# Altium PCB FC_RGB_Sion2.PcbDoc
Units mm, origin at the board's own origin, x right, y up, seen from the top; angles counter-clockwise.
Board outline 71.28 x 49.12 mm, 4 copper layers (Top Layer, GND, PWR, Bottom Layer), stack 0.778 mm thick; 78 components, 155 nets, 493 pads, 132 vias.
Unrouted connection lines stored in the file: 21.
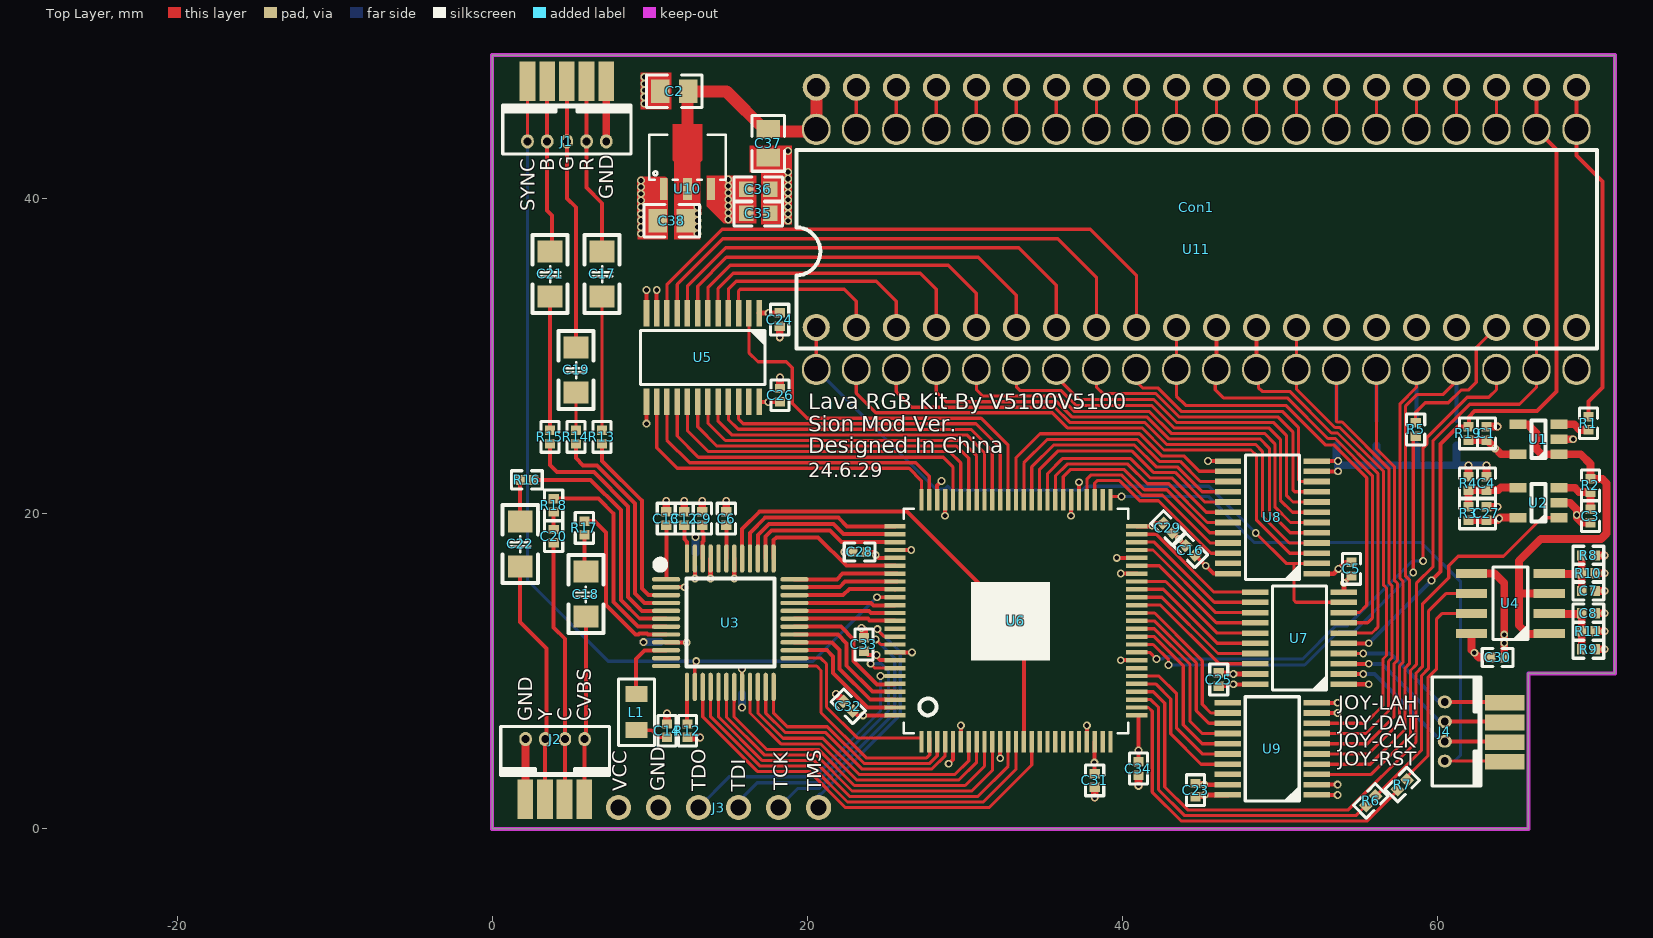
[diagram p0: Top Layer view]
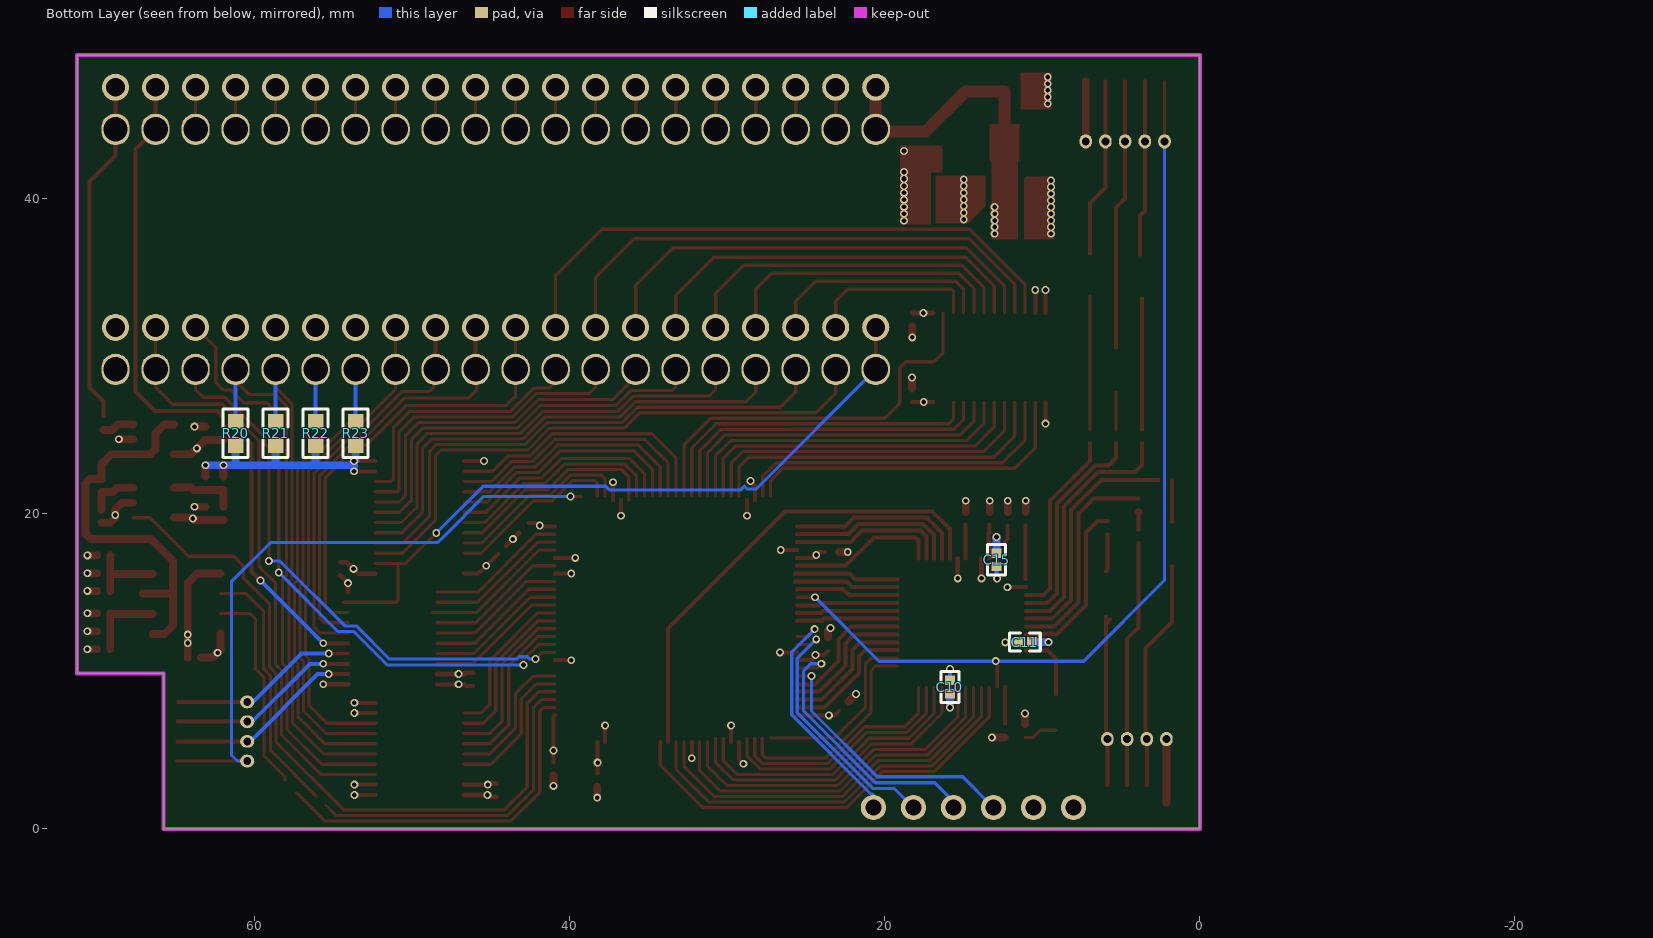
[diagram p1: Bottom Layer view, seen from below]
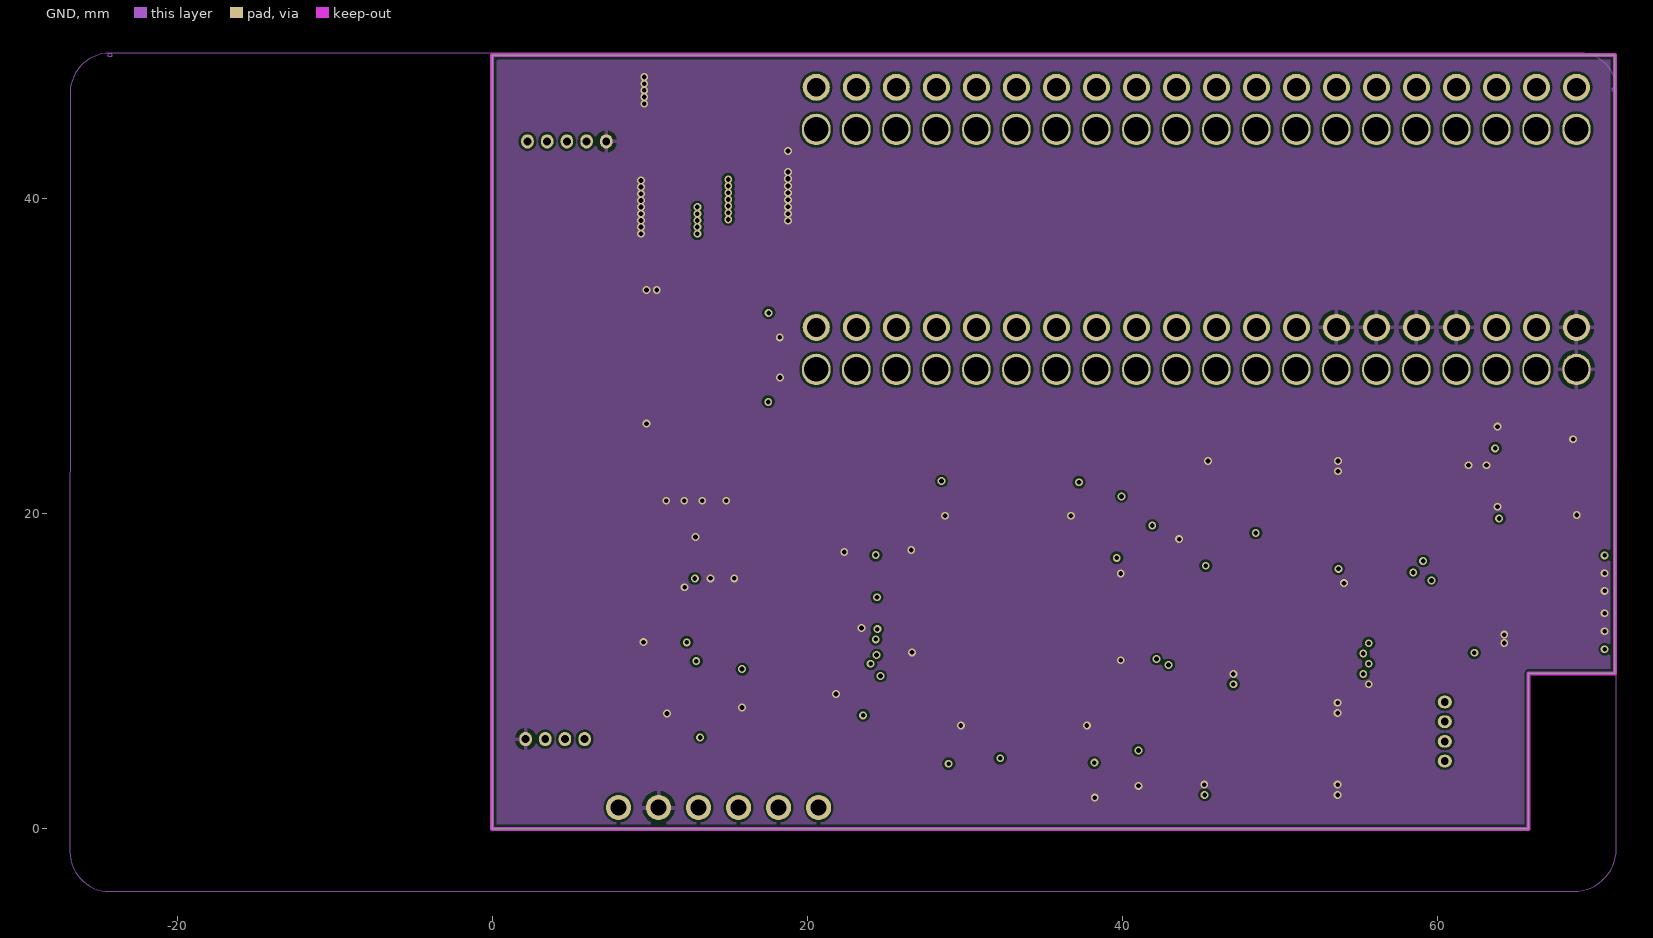
[diagram p2: GND]
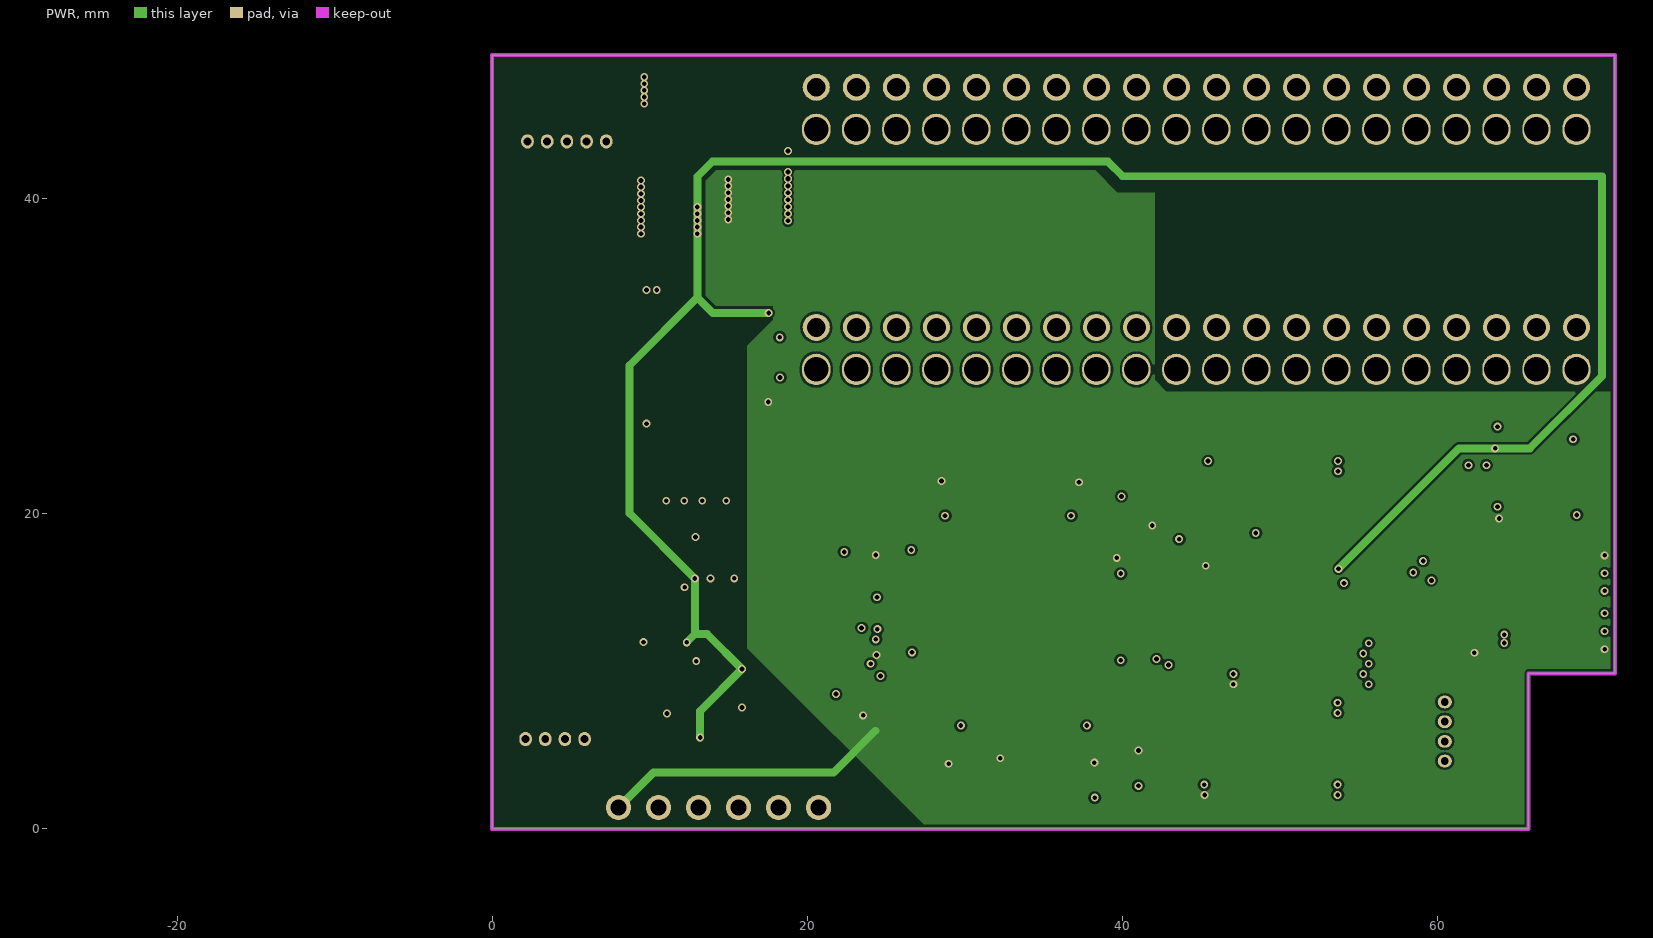
[diagram p3: PWR]
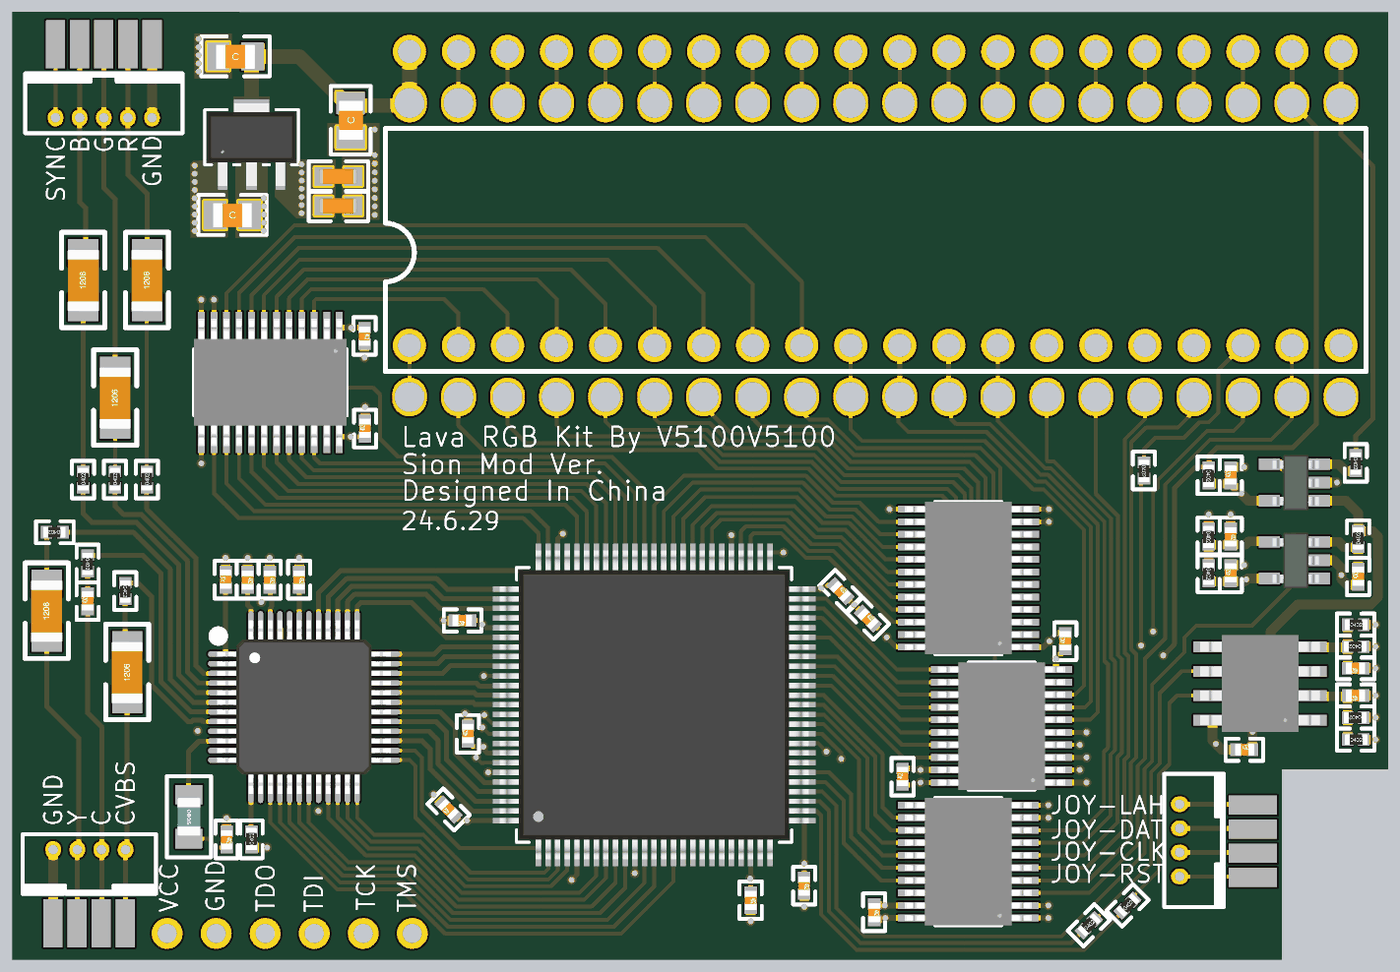
[diagram p4: 3D render of the assembled board from above, using the file's embedded part models]
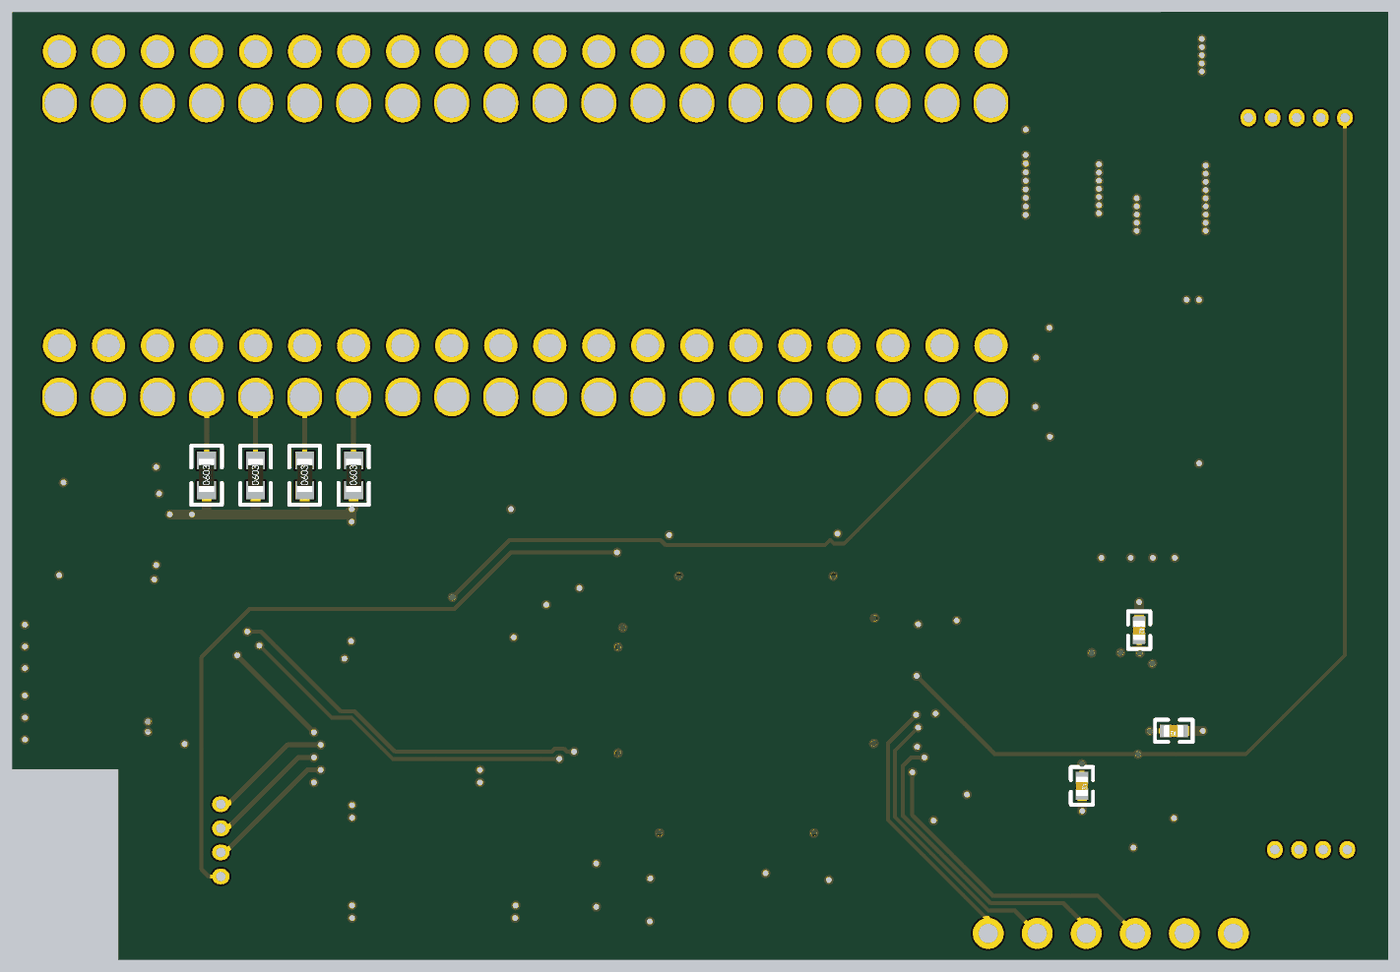
[diagram p5: 3D render of the assembled board from below, using the file's embedded part models]

## Layer stack, top to bottom
Top Solder: solder mask 0.0102, Solder Resist, Dk 3.5
Top Layer: signal copper 0.0356
Dielectric 1: core 0.254, FR-4, Dk 4.2
GND: signal copper 0.036
Dielectric 3: prepreg 0.127, Dk 4.2
PWR: signal copper 0.036
Dielectric 2: core 0.254, Dk 4.2
Bottom Layer: signal copper 0.0356
Bottom Solder: solder mask 0.0102, Solder Resist, Dk 3.5

## Board outline
0,0 65.776,0 65.776,9.864 71.276,9.864 71.276,49.116 0,49.119

## Design rules (kind name [scope] priority, off if disabled: settings)
Clearance [All] p1: gap=0.15 ignorepadtopadclearanceinfootprint=FALSE
PolygonConnect via [isvia] p1: connectstyle=Direct reliefconductorwidth=0.254 reliefentries=4 polygonreliefangle="90 Angle" airgapwidth=0.254
PolygonConnect [All] p2: connectstyle=Relief reliefconductorwidth=0.254 reliefentries=4 polygonreliefangle="90 Angle" airgapwidth=0.254
RoutingVias [All] p1: holewidth=0.711 width=1 viastyle="Through Hole" minholewidth=0.3 minwidth=0.5 maxholewidth=11 maxwidth=22
SilkToSolderMaskClearance [IsPad] p1: minsilkscreentomaskgap=0.152 clearancetoexposedcopper=TRUE
SolderMaskExpansion [All] p1: expansion=0.102
UnRoutedNet [All] p1: checkbadconnections=TRUE
Width Width_3V3 [InNet('+3.3')] p1: maxlimit=50 minlimit=0.254 preferedwidth=0.457 midlayer1_prefwidth=0.254 midlayer2_prefwidth=0.254 minimp=50.000000 maximp=50.000000 favimp=50.000000
Width Width_5V [InNet('+5')] p2: maxlimit=50 minlimit=0.254 preferedwidth=0.457 midlayer1_prefwidth=0.254 midlayer2_prefwidth=0.254 minimp=50.000000 maximp=50.000000 favimp=50.000000
Width [All] p3: maxlimit=20 minlimit=0.2 preferedwidth=0.2
28 further rules are at their usual default settings.

## Components (designator, comment, footprint, x,y, rotation, side; value= is the part's Value field where it differs from the comment)
C1 "Cap" C0402 63.119,25.102 r90 top value=0.1uF
C2 "Cap" C0805 11.557,46.821 r180 top value=0.1uF
C3 "Cap" C0402 69.725,19.85 r90 top value=0.2nF
C4 "Cap" C0402 63.119,21.927 r270 top value=0.1uF
C5 "CAP" C0402 54.55,16.5 r90 top value=0.1uF
C6 "CAP" C0402 14.859,19.688 r270 top value=0.1uF
C7 "Cap" C0402 69.596,15.103 r180 top value=200pF
C8 "Cap" C0402 69.596,13.684 r180 top value=200pF
C9 "CAP" C0402 13.335,19.688 r270 top value=0.1uF
C10 "Cap" C0402 15.863,9 r270 bottom value=0.1uF
C11 "CAP" C0402 11.1,11.85 r0 bottom value=0.1uF
C12 "CAP" C0402 12.192,19.688 r270 top value=0.1uF
C13 "CAP" C0402 11.049,19.688 r90 top value=0.1uF
C14 "CAP" C0402 11.1,6.225 r270 top value=27pF
C15 "CAP" C0402 12.9,17.075 r270 bottom value=0.1uF
C16 "Cap" C0402 44.325,17.675 r315 top value=0.1uF
C17 "220uF" "C 1206_L" 6.977,35.2 r90 top
C18 "220uF" "C 1206_L" 5.95,14.875 r90 top
C19 "220uF" "C 1206_L" 5.326,29.104 r90 top
C20 "CAP" C0402 3.9,18.575 r90 top value=47nF
C21 "220uF" "C 1206_L" 3.675,35.2 r90 top
C22 "220uF" "C 1206_L" 1.778,18.058 r90 top
C23 "Cap" C0402 44.65,2.45 r270 top value=0.1uF
C24 "Cap" C0402 18.25,32.325 r270 top value=0.1uF
C25 "Cap" C0402 46.125,9.475 r90 top value=0.1uF
C26 "CAP" C0402 18.275,27.525 r90 top value=0.1uF
C27 "CAP" C0402 63.119,20.022 r90 top value=0.1uF
C28 "CAP" C0402 23.325,17.575 r180 top value=0.1uF
C29 "CAP" C0402 42.9,19.1 r315 top value=0.1uF
C30 "CAP" C0402 63.825,10.875 r0 top value=0.1uF
C31 "CAP" C0402 38.25,3.075 r270 top value=0.1uF
C32 "CAP" C0402 22.6,7.775 r135 top value=0.1uF
C33 "CAP" C0402 23.6,11.7 r90 top value=0.1uF
C34 "CAP" C0402 41.025,3.825 r270 top value=0.1uF
C35 "Cap" C0603 16.891,39.067 r0 top value=0.1uF
C36 "Cap" C0603 16.891,40.591 r0 top value=2.2uF
C37 "Cap" C0805 17.526,43.512 r270 top value=2.2uF
C38 "Cap" C0805 11.4,38.6 r180 top value=2.2uF
Con1 "PPU_Connector_Src" DIP40_SRC 44.704,39.453 r90 top locked
J1 "CN" CN5_1.25_90 4.739,43.639 r180 top
J2 "CN" CN4_1.25_90 3.991,5.694 r0 top
J3 "PROGRAM_Conector" CON_PROGRAM 8.02,1.35 r0 top
J4 "CN" CN4_1.25_90 60.475,6.175 r90 top
L1 "68uH" "L 0805" 9.15,7.4 r270 top
R1 "RES_SMD" R-0402 69.596,25.743 r270 top value=100
R2 "RES_SMD" R-0402 69.723,21.8 r90 top value=680
R3 "RES_SMD" R-0402 61.976,20.022 r270 top value=10k
R4 "RES_SMD" R-0402 61.976,21.927 r270 top value=680
R5 "RES_SMD" R-0402 58.625,25.35 r270 top value=100
R6 "RES_SMD" R-0402 55.775,1.775 r45 top value=100
R7 "RES_SMD" R-0402 57.775,2.8 r45 top value=100
R8 "RES_SMD" R-0402 69.596,17.357 r0 top value=13k
R9 "RES_SMD" R-0402 69.596,11.398 r0 top value=16k
R10 "RES_SMD" R-0402 69.596,16.224 r180 top value=18k
R11 "RES_SMD" R-0402 69.596,12.541 r180 top value=10k
R12 "RES_SMD" R-0402 12.392,6.226 r90 top value=300
R13 "RES_SMD" R-0402 6.967,24.878 r90 top value=75
R14 "RES_SMD" R-0402 5.317,24.878 r90 top value=75
R15 "RES_SMD" R-0402 3.667,24.878 r90 top value=75
R16 "RES_SMD" R-0402 2.2,22.15 r180 top value=75
R17 "RES_SMD" R-0402 5.85,19.1 r270 top value=75
R18 "RES_SMD" R-0402 3.9,20.534 r270 top value=75
R19 "RES_SMD" R-0402 61.976,25.104 r270 top value=18k
R20 "10KΩ" 0603_R 61.214,25.104 r90 bottom
R21 "10KΩ" 0603_R 58.674,25.104 r90 bottom
R22 "10KΩ" 0603_R 56.134,25.104 r90 bottom
R23 "10KΩ" 0603_R 53.594,25.104 r90 bottom
U1 "SGM8051" SOT-23-5 66.421,24.727 r180 top
U2 "LMV7219" SOT-23-5 66.421,20.7 r180 top
U3 "BH7240AKV" LQFP48-7*7 15.113,13.084 r270 top locked
U4 "TLV3502" SOP-8-SMALL 64.643,14.309 r180 top
U5 "SN74LVC4245APWR" TSSOP24 13.367,29.92 r270 top
U6 "LCMXO2-1200HC-4TG100I" TQFP100_LAT 33.25,13.2 r90 top locked
U7 "SN74LVC541APW" TSSOP20 51.25,12.1 r180 top
U8 "SN74LVC4245APWR" TSSOP24 49.53,19.77 r180 top
U9 "SN74LVC541APW" TSSOP20 49.525,5.075 r180 top
U10 "MCP1703T-3302E/MB" SOT-89_3MC_MCH 12.392,42.628 r0 top
U11 "NES PPU" PDIP-40-BP 44.704,36.781 r0 top locked

## Footprints (in the part's own frame and the unit in brackets; to place one, negate y for a bottom-side part, rotate by r counter-clockwise, add the part's x,y. Pads: shape width x height; smd on the part's side, far side on the other; paste and mask are expansions set on the pad)
0603_R [mm]
  rect 0.93x0.98 smd: 1(-0.77,0) 2(0.77,0)
  silkscreen extent -1.53,-0.79 1.54,0.79, body extent -0.85,-0.4 0.85,0.4, height 0.56
C0402 [mm]
  rect 0.6x0.65 smd mask+0.051: 1(-0.425,0) 2(0.425,0)
  silkscreen extent -0.97,-0.58 0.97,0.58, body extent -0.48,-0.3 0.52,0.3, height 0.2
C0603 [mm]
  rect 0.93x0.98 smd: 1(-0.77,0) 2(0.77,0)
  silkscreen extent -1.53,-0.79 1.54,0.79, body extent -1.01,-0.39 0.99,0.39, height 0.78
C0805 [mm]
  rect 1.16x1.47 smd: 1(-0.89,0) 2(0.89,0)
  silkscreen extent -1.77,-1.04 1.77,1.03, body extent -1.5,-0.68 1.5,0.72, height 0.91
"C 1206_L" [mil] "无极性贴片电容"
  rect 55x62 smd: 1(-55.12,0) 2(57.09,0)
  silkscreen extent -96,-44 98,44, body extent -63,-32 63,32, height 48
CN4_1.25_90 [mm]
  oval 0.8x0.9 hole 0.5: 1(-1.875,0) 2(-0.625,0) 3(0.625,0) 4(1.875,0)
  silkscreen extent -3.45,-2.34 3.45,0.8
CN5_1.25_90 [mm]
  oval 0.8x0.9 hole 0.5: 1(-2.5,0) 2(-1.25,0) 3(0,0) 4(1.25,0) 5(2.5,0)
  silkscreen extent -4.07,-2.33 4.08,0.8
CON_PROGRAM [mm]
  round 1.6 hole 1: 1(0,0) 2(2.54,0) 3(5.08,0) 4(7.62,0) 5(10.16,0) 6(12.7,0)
DIP40_SRC [mm]
  round 1.72 hole 1.2: 1(-7.62,24.13) 2(-7.62,21.59) 3(-7.62,19.05) 4(-7.62,16.51) 5(-7.62,13.97) 6(-7.62,11.43) 7(-7.62,8.89) 8(-7.62,6.35) 9(-7.62,3.81) 10(-7.62,1.27) 11(-7.62,-1.27) 12(-7.62,-3.81) 13(-7.62,-6.35) 14(-7.62,-8.89) 15(-7.62,-11.43) 16(-7.62,-13.97) 17(-7.62,-16.51) 18(-7.62,-19.05) 19(-7.62,-21.59) 20(-7.62,-24.13) 21(7.62,-24.13) 22(7.62,-21.59) 23(7.62,-19.05) 24(7.62,-16.51) 25(7.62,-13.97) 26(7.62,-11.43) 27(7.62,-8.89) 28(7.62,-6.35) 29(7.62,-3.81) 30(7.62,-1.27) 31(7.62,1.27) 32(7.62,3.81) 33(7.62,6.35) 34(7.62,8.89) 35(7.62,11.43) 36(7.62,13.97) 37(7.62,16.51) 38(7.62,19.05) 39(7.62,21.59) 40(7.62,24.13)
"L 0805" [mil] "小功率贴片电感"
  rect 40x55 smd: 1(-45,0) 2(45,0)
  silkscreen extent -83,-45 83,45, body extent -39,-24 39,24, height 35
LQFP48-7*7 [mm] "7x7mm，0.5mm"
  oval 0.279x1.8 smd: 1(-2.75,-4.075) 2(-2.25,-4.075) 3(-1.75,-4.075) 4(-1.25,-4.075) 5(-0.75,-4.075) 6(-0.25,-4.075) 7(0.25,-4.075) 8(0.75,-4.075) 9(1.25,-4.075) 10(1.75,-4.075) 11(2.25,-4.075) 12(2.75,-4.075) 25(2.75,4.075) 26(2.25,4.075) 27(1.75,4.075) 28(1.25,4.075) 29(0.75,4.075) 30(0.25,4.075) 31(-0.25,4.075) 32(-0.75,4.075) 33(-1.25,4.075) 34(-1.75,4.075) 35(-2.25,4.075) 36(-2.75,4.075)
  oval 1.8x0.279 smd: 13(4.075,-2.75) 14(4.075,-2.25) 15(4.075,-1.75) 16(4.075,-1.25) 17(4.075,-0.75) 18(4.075,-0.25) 19(4.075,0.25) 20(4.075,0.75) 21(4.075,1.25) 22(4.075,1.75) 23(4.075,2.25) 24(4.075,2.75) 37(-4.075,2.75) 38(-4.075,2.25) 39(-4.075,1.75) 40(-4.075,1.25) 41(-4.075,0.75) 42(-4.075,0.25) 43(-4.075,-0.25) 44(-4.075,-0.75) 45(-4.075,-1.25) 46(-4.075,-1.75) 47(-4.075,-2.25) 48(-4.075,-2.75)
  silkscreen extent -3.93,-4.69 2.79,2.79, body extent -4.5,-4.5 4.5,4.5, height 1.45
PDIP-40-BP [mm]
  oval 1.8x2 hole 1.55: 1(-24.13,-7.62) 2(-21.59,-7.62) 3(-19.05,-7.62) 4(-16.51,-7.62) 5(-13.97,-7.62) 6(-11.43,-7.62) 7(-8.89,-7.62) 8(-6.35,-7.62) 9(-3.81,-7.62) 10(-1.27,-7.62) 11(1.27,-7.62) 12(3.81,-7.62) 13(6.35,-7.62) 14(8.89,-7.62) 15(11.43,-7.62) 16(13.97,-7.62) 17(16.51,-7.62) 18(19.05,-7.62) 19(21.59,-7.62) 20(24.13,-7.62) 21(24.13,7.62) 22(21.59,7.62) 23(19.05,7.62) 24(16.51,7.62) 25(13.97,7.62) 26(11.43,7.62) 27(8.89,7.62) 28(6.35,7.62) 29(3.81,7.62) 30(1.27,7.62) 31(-1.27,7.62) 32(-3.81,7.62) 33(-6.35,7.62) 34(-8.89,7.62) 35(-11.43,7.62) 36(-13.97,7.62) 37(-16.51,7.62) 38(-19.05,7.62) 39(-21.59,7.62) 40(-24.13,7.62)
  silkscreen extent -25.38,-6.3 25.42,6.3
R-0402 [mm]
  rect 0.6x0.65 smd mask+0.051: 1(-0.425,0) 2(0.425,0)
  silkscreen extent -0.97,-0.58 0.98,0.58, body extent -0.55,-0.27 0.6,0.28, height 0.41
SOP-8-SMALL [mil]
  rect 78x22 smd: 1(-97,75) 2(-97,25) 3(-97,-25) 4(-97,-75) 5(97,-75) 6(97,-25) 7(97,25) 8(97,75)
  silkscreen extent -43,-91 43,91, body extent -122,-99 122,99, height 69
SOT-23-5 [mm]
  rect 1.1x0.6 smd: 1(-1.3,0.95) 2(-1.3,0) 3(-1.3,-0.95) 4(1.3,-0.95) 5(1.3,0.95)
  silkscreen extent -0.46,-1.2 0.46,1.2, body extent -1.27,-1.44 1.13,1.46, height 1.1
SOT-89_3MC_MCH [mil]
  rect 19x56 smd paste+0 mask+0: 1(-59.06,-79.18) 3(59.06,-79.18)
  rect 22x56 smd paste+0 mask+0: 2(0,-79.18)
  Top Layer region: 11,-51.18 -11,-51.18 -11,-30.82 -37,-6.82 -37,83.18 37,83.18 37,-6.82 11,-31.82
  silkscreen extent -96,-56 96,56, body extent -91,-99 91,69, height 65
TQFP100_LAT [mil]
  rect 53.5x11 smd paste+0 mask+0: 1(-302.25,236.22) 2(-302.25,216.54) 3(-302.25,196.85) 4(-302.25,177.17) 5(-302.25,157.48) 6(-302.25,137.8) 7(-302.25,118.11) 8(-302.25,98.43) 9(-302.25,78.74) 10(-302.25,59.06) 11(-302.25,39.37) 12(-302.25,19.69) 13(-302.25,0) 14(-302.25,-19.68) 15(-302.25,-39.37) 16(-302.25,-59.06) 17(-302.25,-78.74) 18(-302.25,-98.43) 19(-302.25,-118.11) 20(-302.25,-137.8) 21(-302.25,-157.48) 22(-302.25,-177.17) 23(-302.25,-196.85) 24(-302.25,-216.54) 25(-302.25,-236.22) 51(302.25,-236.22) 52(302.25,-216.54) 53(302.25,-196.85) 54(302.25,-177.17) 55(302.25,-157.48) 56(302.25,-137.8) 57(302.25,-118.11) 58(302.25,-98.43) 59(302.25,-78.74) 60(302.25,-59.06) 61(302.25,-39.37) 62(302.25,-19.68) 63(302.25,0) 64(302.25,19.68) 65(302.25,39.37) 66(302.25,59.06) 67(302.25,78.74) 68(302.25,98.43) 69(302.25,118.11) 70(302.25,137.8) 71(302.25,157.48) 72(302.25,177.17) 73(302.25,196.85) 74(302.25,216.54) 75(302.25,236.22)
  rect 11x53.5 smd paste+0 mask+0: 26(-236.22,-302.25) 27(-216.54,-302.25) 28(-196.85,-302.25) 29(-177.17,-302.25) 30(-157.48,-302.25) 31(-137.8,-302.25) 32(-118.11,-302.25) 33(-98.43,-302.25) 34(-78.74,-302.25) 35(-59.06,-302.25) 36(-39.37,-302.25) 37(-19.68,-302.25) 38(0,-302.25) 39(19.69,-302.25) 40(39.37,-302.25) 41(59.06,-302.25) 42(78.74,-302.25) 43(98.43,-302.25) 44(118.11,-302.25) 45(137.8,-302.25) 46(157.48,-302.25) 47(177.17,-302.25) 48(196.85,-302.25) 49(216.54,-302.25) 50(236.22,-302.25) 76(236.22,302.25) 77(216.54,302.25) 78(196.85,302.25) 79(177.17,302.25) 80(157.48,302.25) 81(137.8,302.25) 82(118.11,302.25) 83(98.43,302.25) 84(78.74,302.25) 85(59.06,302.25) 86(39.37,302.25) 87(19.69,302.25) 88(0,302.25) 89(-19.68,302.25) 90(-39.37,302.25) 91(-59.06,302.25) 92(-78.74,302.25) 93(-98.43,302.25) 94(-118.11,302.25) 95(-137.8,302.25) 96(-157.48,302.25) 97(-177.17,302.25) 98(-196.85,302.25) 99(-216.54,302.25) 100(-236.22,302.25)
  silkscreen extent -280,-280 280,280, body extent -315,-315 315,315, height 63
TSSOP20 [mil]
  rect 66x14 smd: 1(-111,115.16) 2(-111,89.57) 3(-111,63.98) 4(-111,38.39) 5(-111,12.8) 6(-111,-12.8) 7(-111,-38.39) 8(-111,-63.98) 9(-111,-89.57) 10(-111,-115.16) 11(111,-115.16) 12(111,-89.57) 13(111,-63.98) 14(111,-38.39) 15(111,-12.8) 16(111,12.8) 17(111,38.39) 18(111,63.98) 19(111,89.57) 20(111,115.16)
  silkscreen extent -68,-130 68,130, body extent -130,-130 130,130, height 47
TSSOP24 [mil]
  rect 66x14 smd: 1(-111,140.75) 2(-111,115.16) 3(-111,89.57) 4(-111,63.98) 5(-111,38.39) 6(-111,12.8) 7(-111,-12.8) 8(-111,-38.39) 9(-111,-63.98) 10(-111,-89.57) 11(-111,-115.16) 12(-111,-140.75) 13(111,-140.75) 14(111,-115.16) 15(111,-89.57) 16(111,-63.98) 17(111,-38.39) 18(111,-12.8) 19(111,12.8) 20(111,38.39) 21(111,63.98) 22(111,89.57) 23(111,115.16) 24(111,140.75)
  silkscreen extent -67,-156 68,156, body extent -130,-156 130,156, height 47
